# Altium PCB LimePSB-RPCM_1v3.PcbDoc (part 2 of 10)
Units mm, origin at the board's own origin, x right, y up, seen from the top; angles counter-clockwise.
Board outline 170 x 110 mm, 6 copper layers (Top, L2, L3, L4, L5, Bottom), stack 1.583 mm thick; 946 components, 565 nets, 4035 pads, 1752 vias.
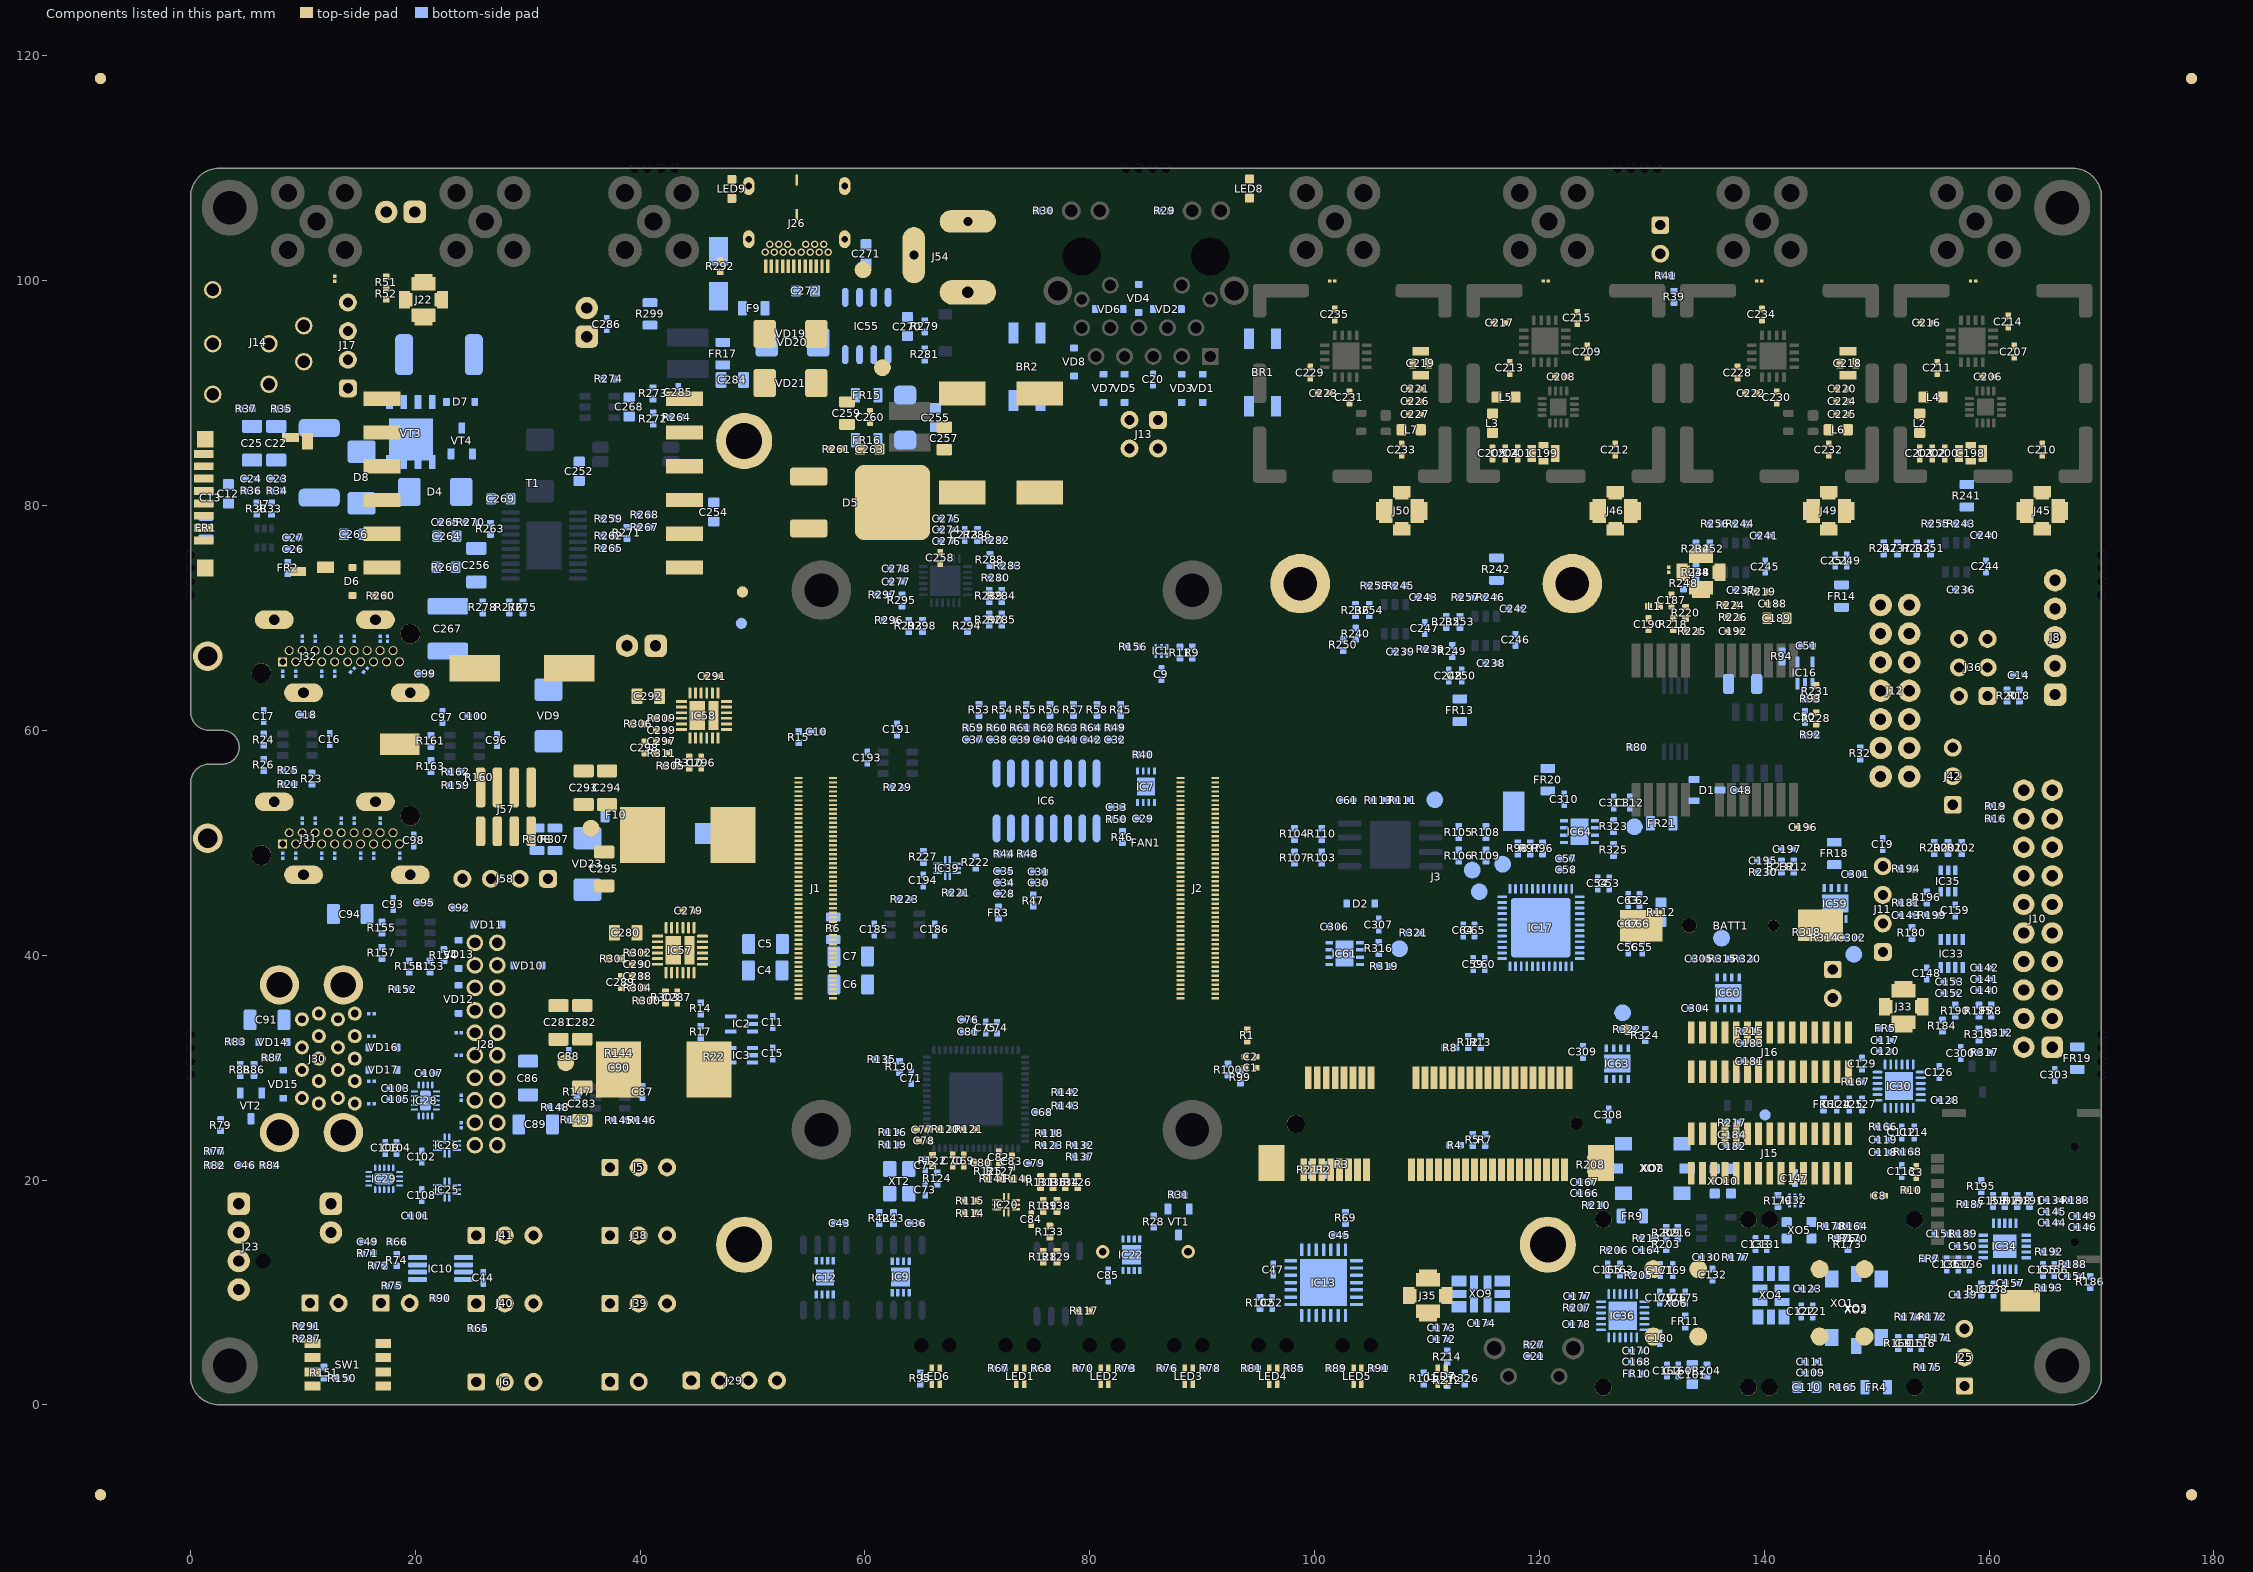
[diagram p6: the components of this part, seen from the top]

## Components (designator, comment, footprint, x,y, rotation, side; value= is the part's Value field where it differs from the comment) (continued)
R17 "0R" RES0402#1 45.4,33.175 r90 bottom
R18 "0R" RES0402#1 162.7,63.1 r90 bottom
R19 "2k2, 1%" RES0402#1 160.6,53.25 r180 bottom
R20 "0R" RES0402#1 161.6,63.1 r90 bottom
R21 "0R" RES0402#1 8.7,55.213 r0 bottom
R22 "0R" RES0402#1 46.575,30.95 r90 bottom
R23 "10k, 1%" RES0402#1 10.8,55.7 r270 bottom
R24 "0R" RES0402#1 6.51,59.173 r90 bottom
R25 "10k, 1%" RES0402#1 8.7,56.438 r180 bottom
R26 "470R, 1%" RES0402#1 6.51,56.923 r90 bottom
R27 "10k, 1%" RES0402#1 119.525,5.355 r180 bottom
R28 "0R" RES0402#1 85.685,16.29 r270 bottom
R29 "470R, 1%" RES0402#1 86.65,106.225 r180 bottom
R30 "470R, 1%" RES0402#1 75.9,106.225 r180 bottom
R31 "1k, 1%" RES0402#1 87.91,18.69 r0 bottom
R32 "0R" RES0402#1 148.55,57.95 r90 bottom
R33 "220R, 1%" RES0402#1 7.2,79.725 r90 bottom
R34 "100R, 1%" RES0402#1 7.7,81.325 r180 bottom
R35 "2k2, 1%" RES0402#1 8.125,88.6 r0 bottom
R36 "100R, 1%" RES0402#1 5.4,81.325 r180 bottom
R37 "2k2, 1%" RES0402#1 4.975,88.625 r0 bottom
R38 "220R, 1%" RES0402#1 5.9,79.725 r90 bottom
R39 "0R" RES0402#1 131.975,98.575 r270 bottom
R40 "10k, 1%" RES0402#1 84.75,57.851 r180 bottom
R41 "1k, 1%" RES0402#1 131.25,100.45 r0 bottom
R42 "2k2, 1%" RES0402#1 61.27,16.615 r90 bottom
R43 "2k2, 1%" RES0402#1 62.54,16.615 r90 bottom
R44 "3k, 1%" RES0402#1 72.376,49.01 r180 bottom
R45 "22k, 1%" RES0402#1 82.751,61.835 r270 bottom
R46 "10k, 1%" RES0402#1 82.9,50.5 r90 bottom
R47 "0R" RES0402_v2#1 74.976,44.86 r90 bottom
R48 "10k, 1%" RES0402#1 74.474,49.01 r0 bottom
R49 "10k, 1%" RES0402#1 82.251,60.235 r180 bottom
R50 "10k, 1%" RES0402#1 82.4,52.1 r180 bottom
R51 "0R" RES0402_v2#2 17.4,99.85 r90 top
R52 "0R" RES0402_v2#2 17.4,98.85 r270 top
R53 "10k, 1%" RES0402#1 70.151,61.835 r270 bottom
R54 "10k, 1%" RES0402#1 72.251,61.835 r270 bottom
R55 "10k, 1%" RES0402#1 74.351,61.835 r270 bottom
R56 "10k, 1%" RES0402#1 76.451,61.835 r270 bottom
R57 "10k, 1%" RES0402#1 78.551,61.835 r270 bottom
R58 "10k, 1%" RES0402#1 80.651,61.835 r270 bottom
R59 "1.6k, 1%" RES0402#1 69.651,60.235 r0 bottom
R60 "1.6k, 1%" RES0402#1 71.751,60.235 r0 bottom
R61 "1.6k, 1%" RES0402#1 73.851,60.235 r0 bottom
R62 "1.6k, 1%" RES0402#1 75.951,60.235 r0 bottom
R63 "1.6k, 1%" RES0402#1 78.051,60.235 r0 bottom
R64 "1.6k, 1%" RES0402#1 80.151,60.235 r0 bottom
R65 "1k, 1%" RES0402#1 25.575,6.8 r0 bottom
R66 "10k, 1%" RES0402#1 18.375,14.5 r0 bottom
R67 "330R, 1%" RES0402#1 71.91,3.253 r0 bottom
R68 "330R, 1%" RES0402#1 75.71,3.253 r180 bottom
R69 "10k, 1%" RES0402#1 102.75,16.625 r90 bottom
R70 "330R, 1%" RES0402#1 79.41,3.253 r0 bottom
R71 "1k, 1%" RES0402#1 15.75,13.475 r0 bottom
R72 "12k, 1%" RES0402#1 16.75,12.375 r0 bottom
R73 "330R, 1%" RES0402#1 83.21,3.253 r180 bottom
R74 "10k, 1%" RES0402#1 18.35,12.875 r90 bottom
R75 "0R" RES0402#1 17.95,10.6 r0 bottom
R76 "330R, 1%" RES0402#1 86.91,3.253 r0 bottom
R77 "0R" RES0402#1 2.175,22.578 r0 bottom
R78 "330R, 1%" RES0402#1 90.71,3.253 r180 bottom
R79 "0R" RES0402#1 2.675,24.875 r270 bottom
R80 "0R" RES0402#1 128.7,58.5 r0 bottom
R81 "330R, 1%" RES0402#1 94.41,3.25 r0 bottom
R82 "0R" RES0402#1 2.175,21.325 r0 bottom
R83 "100k, 1%" RES0402#1 4.025,32.3 r0 bottom
R84 "0R" RES0402#1 7.075,21.325 r180 bottom
R85 "330R, 1%" RES0402#1 98.21,3.25 r180 bottom
R86 "0R" RES0402#1 5.65,29.8 r270 bottom
R87 "100k, 1%" RES0402#1 7.25,30.875 r0 bottom
R88 "0R" RES0402#1 4.425,29.8 r270 bottom
R89 "330R, 1%" RES0402#1 101.91,3.25 r0 bottom
R90 "0R" RES0402#1 22.2,9.5 r0 bottom
R91 "330R, 1%" RES0402#1 105.71,3.25 r180 bottom
R92 "470k, 1%" RES0402#1 144.125,59.6 r0 bottom
R93 "470k, 1%" RES0402#1 144.125,62.8 r0 bottom
R94 "0R" RES0402#1 141.575,66.575 r270 bottom
R95 "330R, 1%" RES0402#1 64.91,2.353 r90 bottom
R96 "0R" RES0402#1 120.275,49.5 r90 bottom
R97 "0R" RES0402#1 119.175,49.5 r90 bottom
R98 "0R" RES0402#1 118.075,49.5 r90 bottom
R99 "0R" RES0402#1 93.4,29.125 r90 bottom
R100 "0R" RES0402#1 92.3,29.825 r90 bottom
R101 "330R, 1%" RES0402#1 109.7,2.35 r90 bottom
R102 "10k, 1%" RES0402#1 95.15,9.075 r90 bottom
R103 "0R" RES0402#1 100.635,48.69 r90 bottom
R104 "0R" RES0402#1 98.21,50.79 r90 bottom
R105 "0R" RES0402#1 112.815,50.96 r270 bottom
R106 "0R" RES0402#1 112.815,48.86 r270 bottom
R107 "0R" RES0402#1 98.21,48.69 r90 bottom
R108 "0R" RES0402#1 115.24,50.96 r90 bottom
R109 "10k, 1%" RES0402#1 115.24,48.86 r90 bottom
R110 "10k, 1%" RES0402#1 100.635,50.79 r90 bottom
R111 "0R" RES0402#1 107.825,53.775 r0 bottom
R112 "100R, 1%" RES0603#2 130.825,43.825 r270 bottom
R113 "10k, 1%" RES0402#1 105.725,53.775 r180 bottom
R114 "0R" RES0402#2 69.377,17.063 r180 top
R115 "0R" RES0402#2 69.375,18.15 r180 top
R116 "0R" RES0402#1 62.475,24.25 r0 bottom
R117 "10k, 1%" RES0402#2 79.5,8.35 r180 top
R118 "10k, 1%" RES0402#1 76.375,24.175 r180 bottom
R119 "0R" RES0402#1 62.475,23.15 r0 bottom
R120 "10k, 1%" RES0402#2 67.175,24.5 r180 top
R121 "0R" RES0402#2 69.275,24.5 r0 top
R122 "12k, 1%" RES0402#2 66.012,21.712 r270 top
R123 "10k, 1%" RES0402#1 76.375,23.075 r0 bottom
R124 "1M, 1%" RES0402#1 66.425,20.15 r270 bottom
R125 "0R" RES0402#1 70.975,20.8 r90 bottom
R126 "2k2, 1%" RES0402#2 78.925,19.806 r270 top
R127 "0R" RES0402#1 72.075,20.8 r90 bottom
R128 "0R" RES0402#2 75.85,13.175 r270 top
R129 "0R" RES0402#2 77.075,13.175 r270 top
R130 "10k, 1%" RES0402#1 63.075,30.075 r270 bottom
R131 "10k, 1%" RES0402#2 75.625,19.806 r90 top
R132 "10k, 1%" RES0402#1 79.15,23.1 r180 bottom
R133 "0R" RES0402#2 76.45,15.4 r270 top
R134 "0R" RES0402#2 77.825,19.806 r90 top
R135 "10k, 1%" RES0402#1 61.475,30.725 r0 bottom
R136 "10k, 1%" RES0402#2 76.725,19.806 r270 top
R137 "10k, 1%" RES0402#1 79.15,22.05 r0 bottom
R138 "2k2, 1%" RES0402#2 77.075,17.7 r90 top
R139 "2k2, 1%" RES0402#2 75.85,17.7 r270 top
R140 "0R" RES0402#2 73.675,20.1 r0 top
R141 "0R" RES0402#2 71.45,20.106 r180 top
R142 "0R" RES0402#1 77.85,27.825 r0 bottom
R143 "0R" RES0402#1 77.85,26.625 r0 bottom
R144 "0R" RES0402#1 38.125,31.275 r0 bottom
R145 "0R" RES0402#1 38.125,25.329 r180 bottom
R146 "0R" RES0402#1 40.166,25.329 r0 bottom
R147 "0R" RES0402#1 34.387,27.837 r90 bottom
R148 "470R, 1%" RES0402#1 32.425,26.475 r0 bottom
R149 "0R" RES0402#1 34.2,25.375 r180 bottom
R150 "0R" RES0402#1 13.512,2.374 r0 bottom
R151 "10k, 1%" RES0402#1 11.875,2.875 r90 bottom
R152 "0R" RES0402#1 18.863,36.975 r0 bottom
R153 "0R" RES0402#1 21.313,39 r270 bottom
R154 "0R" RES0402#1 22.538,40 r90 bottom
R155 "0R" RES0402#1 17.023,42.448 r90 bottom
R156 "0R" RES0402#1 83.85,67.45 r0 bottom
R157 "470R, 1%" RES0402#1 17.023,40.198 r90 bottom
R158 "0R" RES0402#1 19.463,39 r270 bottom
R159 "0R" RES0402#1 23.575,55.113 r0 bottom
R160 "10k, 1%" RES0402#1 25.675,55.838 r270 bottom
R161 "0R" RES0402#1 21.385,59.073 r90 bottom
R162 "10k, 1%" RES0402#1 23.575,56.338 r180 bottom
R163 "470R, 1%" RES0402#1 21.385,56.823 r90 bottom
R164 "0R" RES0402_v2#1 147.95,15.9 r0 bottom
R165 "0R" RES0402#1 147.025,1.575 r180 bottom
R166 "0R" RES0402#1 150.575,24.75 r0 bottom
R167 "0R" RES0402#1 148.15,28.75 r0 bottom
R168 "49.9R, 1%" RES0402#1 152.75,22.525 r180 bottom
R169 "0R" RES0402#1 151.915,5.49 r90 bottom
R170 "0R" RES0402_v2#1 147.95,14.8 r0 bottom
R171 "0R" RES0402#1 155.515,5.99 r0 bottom
R172 "0R" RES0402#1 155,7.825 r180 bottom
R173 "0R" RES0402_v2#1 147.45,14.3 r90 bottom
R174 "22R, 1%" RES0402#1 152.875,7.825 r180 bottom
R175 "0R" RES0402#1 154.525,3.35 r180 bottom
R176 "0R" RES0402_v2#1 146.95,14.8 r180 bottom
R177 "0R" RES0402#1 137.5,13.125 r180 bottom
R178 "0R" RES0402_v2#1 145.95,15.9 r180 bottom
R179 "0R" RES0402_v2#1 141.225,18.15 r90 bottom
R180 "1k, 1%" RES0402#1 153.14,41.989 r270 bottom
R181 "0R" RES0402#1 152.64,44.659 r0 bottom
R182 "49.9R, 1%" RES0402#1 159.3,10.275 r270 bottom
R183 "10R, 1%" RES0402#1 167.725,18.2 r180 bottom
R184 "0R" RES0402_v2#1 155.849,33.739 r270 bottom
R185 "3k, 1%" RES0402#1 159.099,35.074 r90 bottom
R186 "0R" RES0402#1 168.999,10.95 r270 bottom
R187 "1k, 1%" RES0402#1 158.364,17.84 r180 bottom
R188 "470R, 1%" RES0402#1 167.449,12.5 r0 bottom
R189 "49.9R, 1%" RES0402#1 157.7,15.2 r180 bottom
R190 "10k, 1%" RES0402#1 156.999,35.075 r270 bottom
R191 "10k, 1%" RES0402#1 163.6,18.15 r90 bottom
R192 "10k, 1%" RES0402#1 165.349,13.6 r0 bottom
R193 "330R, 1%" RES0402#1 165.299,10.4 r180 bottom
R194 "10k, 1%" RES0402#1 152.64,47.675 r0 bottom
R195 "49.9R, 1%" RES0402#1 159.3,19.45 r270 bottom
R196 "3k, 1%" RES0402#1 154.465,45.149 r90 bottom
R197 "49.9R, 1%" RES0402#1 161.4,18.15 r270 bottom
R198 "49.9R, 1%" RES0402#1 162.5,18.15 r270 bottom
R199 "10k, 1%" RES0402#1 154.965,43.549 r0 bottom
R200 "49.9R, 1%" RES0402#1 155.124,49.549 r90 bottom
R201 "49.9R, 1%" RES0402#1 156.349,49.549 r90 bottom
R202 "49.9R, 1%" RES0402#1 157.574,49.549 r90 bottom
R203 "0R" RES0402_v2#1 131.275,14.3 r270 bottom
R204 "0R" RES0402#1 134.9,3.047 r90 bottom
R205 "0R" RES0402#1 128.839,11.524 r180 bottom
R206 "49.9R, 1%" RES0402#1 126.664,13.749 r0 bottom
R207 "0R" RES0402#1 123.364,8.624 r0 bottom
R208 "0R" RES0402#1 124.55,21.375 r270 bottom
R209 "0R" RES0402_v2#1 131.275,15.3 r90 bottom
R210 "0R" RES0402#1 125.05,17.775 r0 bottom
R211 "0R" RES0402#1 99.7,20.9 r90 bottom
R212 "0R" RES0402#1 111.8,2.2 r90 bottom
R213 "0R" RES0402_v2#1 129.55,14.8 r0 bottom
R214 "22R, 1%" RES0402#1 111.8,4.3 r90 bottom
R215 "0R" RES0402#1 138.7,33.225 r0 bottom
R216 "0R" RES0402_v2#1 132.3,15.3 r90 bottom
R217 "0R" RES0402#1 137.175,25.075 r0 bottom
R218 "0R" RES0402#2 131.9,69.45 r270 top
R219 "0R" RES0402#2 139.775,72.325 r180 top
R220 "10R, 1%" RES0402#2 133,70.45 r270 top
R221 "0R" RES0402#1 68.1,45.55 r0 bottom
R222 "0R" RES0402#1 69.863,48.25 r90 bottom
R223 "0R" RES0402#1 63.525,44.972 r180 bottom
R224 "0R" RES0402#2 137,71.15 r0 top
R225 "0R" RES0402#2 133.575,68.8 r180 top
R226 "0R" RES0402#2 137.25,70.05 r180 top
R227 "10k, 1%" RES0402#1 65.2,48.75 r90 bottom
R228 "0R" RES0402#2 144.625,61.075 r90 top
R229 "0R" RES0402#1 62.9,54.953 r0 bottom
R230 "0R" RES0402#1 139.9,47.375 r180 bottom
R231 "0R" RES0402#2 144.6,63.5 r90 top
R232 "0R" RES0402#1 141.525,47.875 r90 bottom
R233 "0R" RES0402#1 153.563,76.2 r270 bottom
R234 "0R" RES0402#1 133.925,76.172 r270 bottom
R235 "0R" RES0402#1 111.715,69.66 r270 bottom
R236 "0R" RES0402#1 103.638,70.7 r270 bottom
R237 "100k, 1%" RES0402#1 151.85,76.2 r270 bottom
R238 "100k, 1%" RES0402#1 133.925,74.075 r270 bottom
R239 "100k, 1%" RES0402#1 110.325,67.2 r0 bottom
R240 "100k, 1%" RES0402#1 103.65,68.6 r270 bottom
R241 "0R" RES0805 158.025,80.888 r270 bottom
R242 "0R" RES0805 116.177,74.348 r270 bottom
R243 "0R" RES0402#1 157.525,78.388 r0 bottom
R244 "0R" RES0402#1 137.885,78.363 r0 bottom
R245 "0R" RES0402#1 107.598,72.89 r0 bottom
R246 "0R" RES0402#1 115.675,71.85 r0 bottom
R247 "100k, 1%" RES0402#1 150.625,76.2 r90 bottom
R248 "100k, 1%" RES0402#1 132.825,73.075 r270 bottom
R249 "100k, 1%" RES0402#1 112.25,67.05 r270 bottom
R250 "100k, 1%" RES0402#1 102.55,67.6 r270 bottom
R251 "10k, 1%" RES0402#1 154.788,76.2 r90 bottom
R252 "10k, 1%" RES0402#1 135.15,76.172 r90 bottom
R253 "10k, 1%" RES0402#1 112.94,69.66 r90 bottom
R254 "10k, 1%" RES0402#1 104.863,70.7 r90 bottom
R255 "470R, 1%" RES0402#1 155.273,78.39 r0 bottom
R256 "470R, 1%" RES0402#1 135.635,78.363 r0 bottom
R257 "470R, 1%" RES0402#1 113.425,71.85 r0 bottom
R258 "470R, 1%" RES0402#1 105.348,72.89 r0 bottom
R259 "30.1R, 1%" RES0402#1 37.225,78.85 r180 bottom
R260 "75R, 1%" RES0402#2 16.925,72 r180 top
R261 "75R, 1%" RES0402#2 57.475,85.025 r0 top
R262 "118k, 1%" RES0402#1 37.225,77.3 r180 bottom
R263 "5.1k, 5%" RES0402#1 26.675,77.925 r270 bottom
R264 "680R, 1%" RES0402#1 43.25,87.85 r180 bottom
R265 "44.2k, 1%" RES0402#1 37.225,76.2 r0 bottom
R266 "10R, 1%" RES0603#2 22.725,74.525 r0 bottom
R267 "470k, 1%" RES0402#1 40.425,78.075 r0 bottom
R268 "22.1k, 1%" RES0402#1 40.425,79.175 r0 bottom
R269 "330R, 1%" RES2512 11.45,83.8 r90 bottom
R270 "0R" RES0402#1 24.95,78.5 r180 bottom
R271 "768R, 1%" RES0402#1 38.825,77.575 r270 bottom
R272 "22k, 1%" RES0402#1 41.155,87.747 r270 bottom
R273 "15k, 1%" RES0402#1 41.15,89.975 r90 bottom
R274 "3.92k, 1%" RES0402#1 37.212,91.262 r180 bottom
R275 "5.1k, 5%" RES0402#1 29.575,70.95 r90 bottom
R276 "150k, 1%" RES0402#1 28.346,70.954 r90 bottom
R277 "0.1R, 1%" RES2512 22.1,93.425 r180 bottom
R278 "2k2, 1%" RES0402#1 26,70.95 r90 bottom
R279 "10k, 1%" RES0402#1 65.325,95.95 r90 bottom
R280 "1k, 1%" RES0402#1 71.636,73.575 r180 bottom
R281 "44.2k, 1%" RES0402#1 65.325,93.45 r90 bottom
R282 "5.1k, 5%" RES0402#1 71.616,76.895 r180 bottom
R283 "5.1k, 5%" RES0402#1 72.716,74.67 r180 bottom
R284 "5.1k, 5%" RES0402#1 72.166,71.97 r90 bottom
R285 "5.1k, 5%" RES0402#1 72.166,69.845 r270 bottom
R286 "1k, 1%" RES0402#1 70.016,77.395 r90 bottom
R287 "2k2, 1%" RES0402#1 10.325,5.875 r180 bottom
R288 "2.4k, 1%" RES0402#1 71.116,75.17 r270 bottom
R289 "2.4k, 1%" RES0402#1 71.066,71.97 r90 bottom
R290 "2.4k, 1%" RES0402#1 71.066,69.845 r270 bottom
R291 "0R" RES0402#1 10.325,6.975 r180 bottom
R292 "2k2, 1%" RES0402#2 47.125,101.3 r270 top
R293 "10k, 1%" RES0402#1 63.891,69.295 r270 bottom
R294 "10k, 1%" RES0402#1 69.116,69.295 r270 bottom
R295 "10k, 1%" RES0402#1 63.291,71.57 r270 bottom
R296 "0R" RES0402#1 62.166,69.795 r180 bottom
R297 "0R" RES0402#1 61.566,72.07 r180 bottom
R298 "10k, 1%" RES0402#1 65.116,69.295 r90 bottom
R299 "0R" RES0805 40.875,97.05 r90 bottom
R300 "10k, 1%" RES0402#2 40.591,35.948 r0 top
R301 "44.2k, 1%" RES0402#2 37.7,39.7 r180 top
R302 "100k, 1%" RES0402#2 39.8,40.2 r180 top
R303 "2.21k, 1%" RES0402#2 42.25,36.25 r90 top
R304 "44.2k, 1%" RES0402#2 39.8,37.1 r0 top
R305 "22k, 1%" RES0402#2 42.709,56.834 r180 top
R306 "44.2k, 1%" RES0402#2 39.825,60.575 r180 top
R307 "100R, 1%" RES0805 32.42,50.314 r270 bottom
R308 "100R, 1%" RES0805 30.825,50.325 r270 bottom
R309 "100k, 1%" RES0402#2 41.925,61.075 r180 top
R310 "3k, 1%" RES0402#2 44.375,57.125 r90 top
R311 "44.2k, 1%" RES0402#2 41.925,57.975 r0 top
R312 "1k, 1%" RES0402#1 160.875,33.125 r0 bottom
R313 "0R" RES0402#1 159.1,32.95 r270 bottom
R314 "1.6k, 1%" RES0402#1 145.4,41.55 r0 bottom
R315 "1.2k, 1%" RES0402#1 136.325,39.675 r0 bottom
R316 "1k, 1%" RES0402#1 105.7,40.625 r90 bottom
R317 "0R" RES0402#1 159.6,31.35 r180 bottom
R318 "510R, 1%" RES0402#1 143.8,42.05 r90 bottom
R319 "470R, 1%" RES0402#1 106.2,39.025 r0 bottom
R320 "2.4k, 1%" RES0402#1 138.425,39.675 r180 bottom
R321 "0R" RES0402#1 108.825,42 r180 bottom
R322 "1k, 1%" RES0402#1 127.825,33.4 r180 bottom
R323 "1.6k, 1%" RES0402#1 126.6,51.475 r90 bottom
R324 "1.2k, 1%" RES0402#1 129.425,32.9 r270 bottom
R325 "510R, 1%" RES0402#1 126.6,49.375 r270 bottom
R326 "330R, 1%" RES0402#1 113.35,2.35 r90 bottom
SW1 "4 bit switch" SW_4WAY_SMD_1P27 14,3.565 r270 top locked
T1 "POE300F-12LD" POE300F50LD_TRANSFORMER 30.5,82 r0 top
TP1 "TESTPOINT_THT_MINI" TP-SMD-LOW_PROFILE 18.625,58.775 r0 top
TP2 "TESTPOINT_THT_MINI" TP-SMD-LOW_PROFILE 46.625,50.825 r180 bottom
TP3 "TESTPOINT_THT_MINI" TP-SMD-LOW_PROFILE 162.775,9.275 r0 top
TP4 "TESTPOINT_THT_MINI" TP-SMD-LOW_PROFILE 117.7,52.8 r90 bottom
TP5 "TESTPOINT_PAD" TP_PAD_1p5MM 114.025,47.575 r90 bottom
TP6 "TESTPOINT_PAD" TP_PAD_1p5MM 114.65,45.65 r90 bottom
TP7 "TESTPOINT_PAD" TP_PAD_1p5MM 116.725,48.1 r90 bottom
TP8 "TESTPOINT_PAD" TP_PAD_1p5MM 110.7,53.825 r90 bottom
TP9 "TESTPOINT_PAD" TP_PAD_1P5MM 61.55,92.275 r0 top
TP10 "TESTPOINT_PAD" TP_PAD_1P5MM 59.825,100.975 r0 top
TP11 "TESTPOINT_PAD" TP_PAD_1P5MM 33.375,30.425 r90 top
TP12 "TESTPOINT_PAD" TP_PAD_1P5MM 35.625,51.3 r180 top
TP13 "TESTPOINT_PAD" TP_PAD_1P5MM 147.975,40.075 r270 bottom
TP14 "TESTPOINT_PAD" TP_PAD_1p5MM 136.204,41.525 r180 bottom
TP15 "TESTPOINT_PAD" TP_PAD_1p5MM 107.55,40.575 r90 bottom
TP16 "TESTPOINT_PAD" TP_PAD_1P5MM 127.4,34.875 r270 bottom
TP17 "TESTPOINT_PAD" TP_PAD_1p5MM 128.45,51.425 r90 bottom
VD1 "TVS" SOD323 90.045,90.425 r90 bottom
VD2 "TVS" SOD323 86.9,97.475 r0 bottom
VD3 "TVS" SOD323 88.175,90.425 r90 bottom
VD4 "TVS" SOD323 84.35,98.425 r270 bottom
VD5 "TVS" SOD323 83.1,90.425 r90 bottom
VD6 "TVS" SOD323 81.725,97.475 r0 bottom
VD7 "TVS" SOD323 81.225,90.425 r90 bottom
VD8 "TVS" SOD323 78.6,92.775 r90 bottom
VD9 "SK36A" SK32A-L_DIODE_DO-214AC#1 31.85,61.325 r270 bottom
VD10 "TVS" SOD323 30.025,39.075 r180 bottom
VD11 "TVS" SOD323 26.45,42.725 r0 bottom
VD12 "TVS" SOD323 23.85,36.075 r90 bottom
VD13 "TVS" SOD323 23.85,40.075 r270 bottom
VD14 "TVS" SOD323 7.325,32.275 r0 bottom
VD15 "TVS" SOD323 8.25,28.525 r90 bottom
VD16 "TVS" SOD323 17.125,31.8 r180 bottom
VD17 "TVS" SOD323 17.125,29.8 r180 bottom
VD18 "SMAJ58A" SMAJ58A_SHOTTKY_DIODE 63.575,87.825 r90 bottom
VD19 "SK36A" SK32A-L_DIODE_DO-214AC#2 53.375,95.275 r0 top
VD20 "SK36A" SK32A-L_DIODE_DO-214AC#1 53.55,94.525 r0 bottom
VD21 "SK36A" SK32A-L_DIODE_DO-214AC#2 53.375,90.9 r0 top
VD22 "SMBJ14A" SMAJ12CA-13-F 46.975,100.575 r270 bottom
VD23 "SK36A" SK32A-L_DIODE_DO-214AC#1 35.3,48.125 r270 bottom
VT1 "IRLML6244" SOT23-3 87.9,16.27 r270 bottom
VT2 "IRLML6244" SOT23-3 5.375,26.6 r270 bottom
VT3 "FDMS86250" FDMS86250_NMOS_POWER56 19.6,86.55 r0 bottom
VT4 "BFT92,215" BFT92,215_PNP_STO23-3 24.125,85.75 r90 bottom
XO1 "U7475LF 30.72MHz" AOCJYR-10.000MHz 146.925,9.075 r90 top locked
XO2 "E6245LF 30.72 MHz" RAKON_RPT7050A 148.189,8.44 r270 bottom
XO3 "E5280LF 30.72MHz" RAKON_TXCO 148.189,8.44 r270 bottom
XO4 "RTX5032A, 40.00MHz" RAKON_RTX5032A#1 140.6,9.75 r90 bottom
XO5 "ASVTX-12 38.4MHz" CRYSTAL_4-LCC_2P5x2P0 143.1,15.525 r0 bottom
XO6 "U8073LF 10.0MHz" AOCJYR-10.000MHz 132.125,9.075 r90 top locked
XO7 "E6245LF 30.72 MHz" RAKON_RPT7050A 129.94,21.036 r180 bottom
XO8 "E5280LF 30.72MHz" RAKON_TXCO 129.94,21.036 r180 bottom
XO9 "RTX5032A, 40.00MHz" RAKON_RTX5032A#2 114.775,9.875 r0 bottom
XO10 "ASVTX-12 38.4MHz" CRYSTAL_4-LCC_2P5x2P0 136.325,19.9 r270 bottom
XT1 "32.768kHz" CRYSTAL_2PIN_RTC_RT3215 138.08,64.134 r0 bottom
XT2 "24MHz" CRYSTAL_4-LCC 63.05,19.886 r270 bottom
